# Altium PCB linux_board_PCB.PcbDoc (part 2 of 3) (continued)
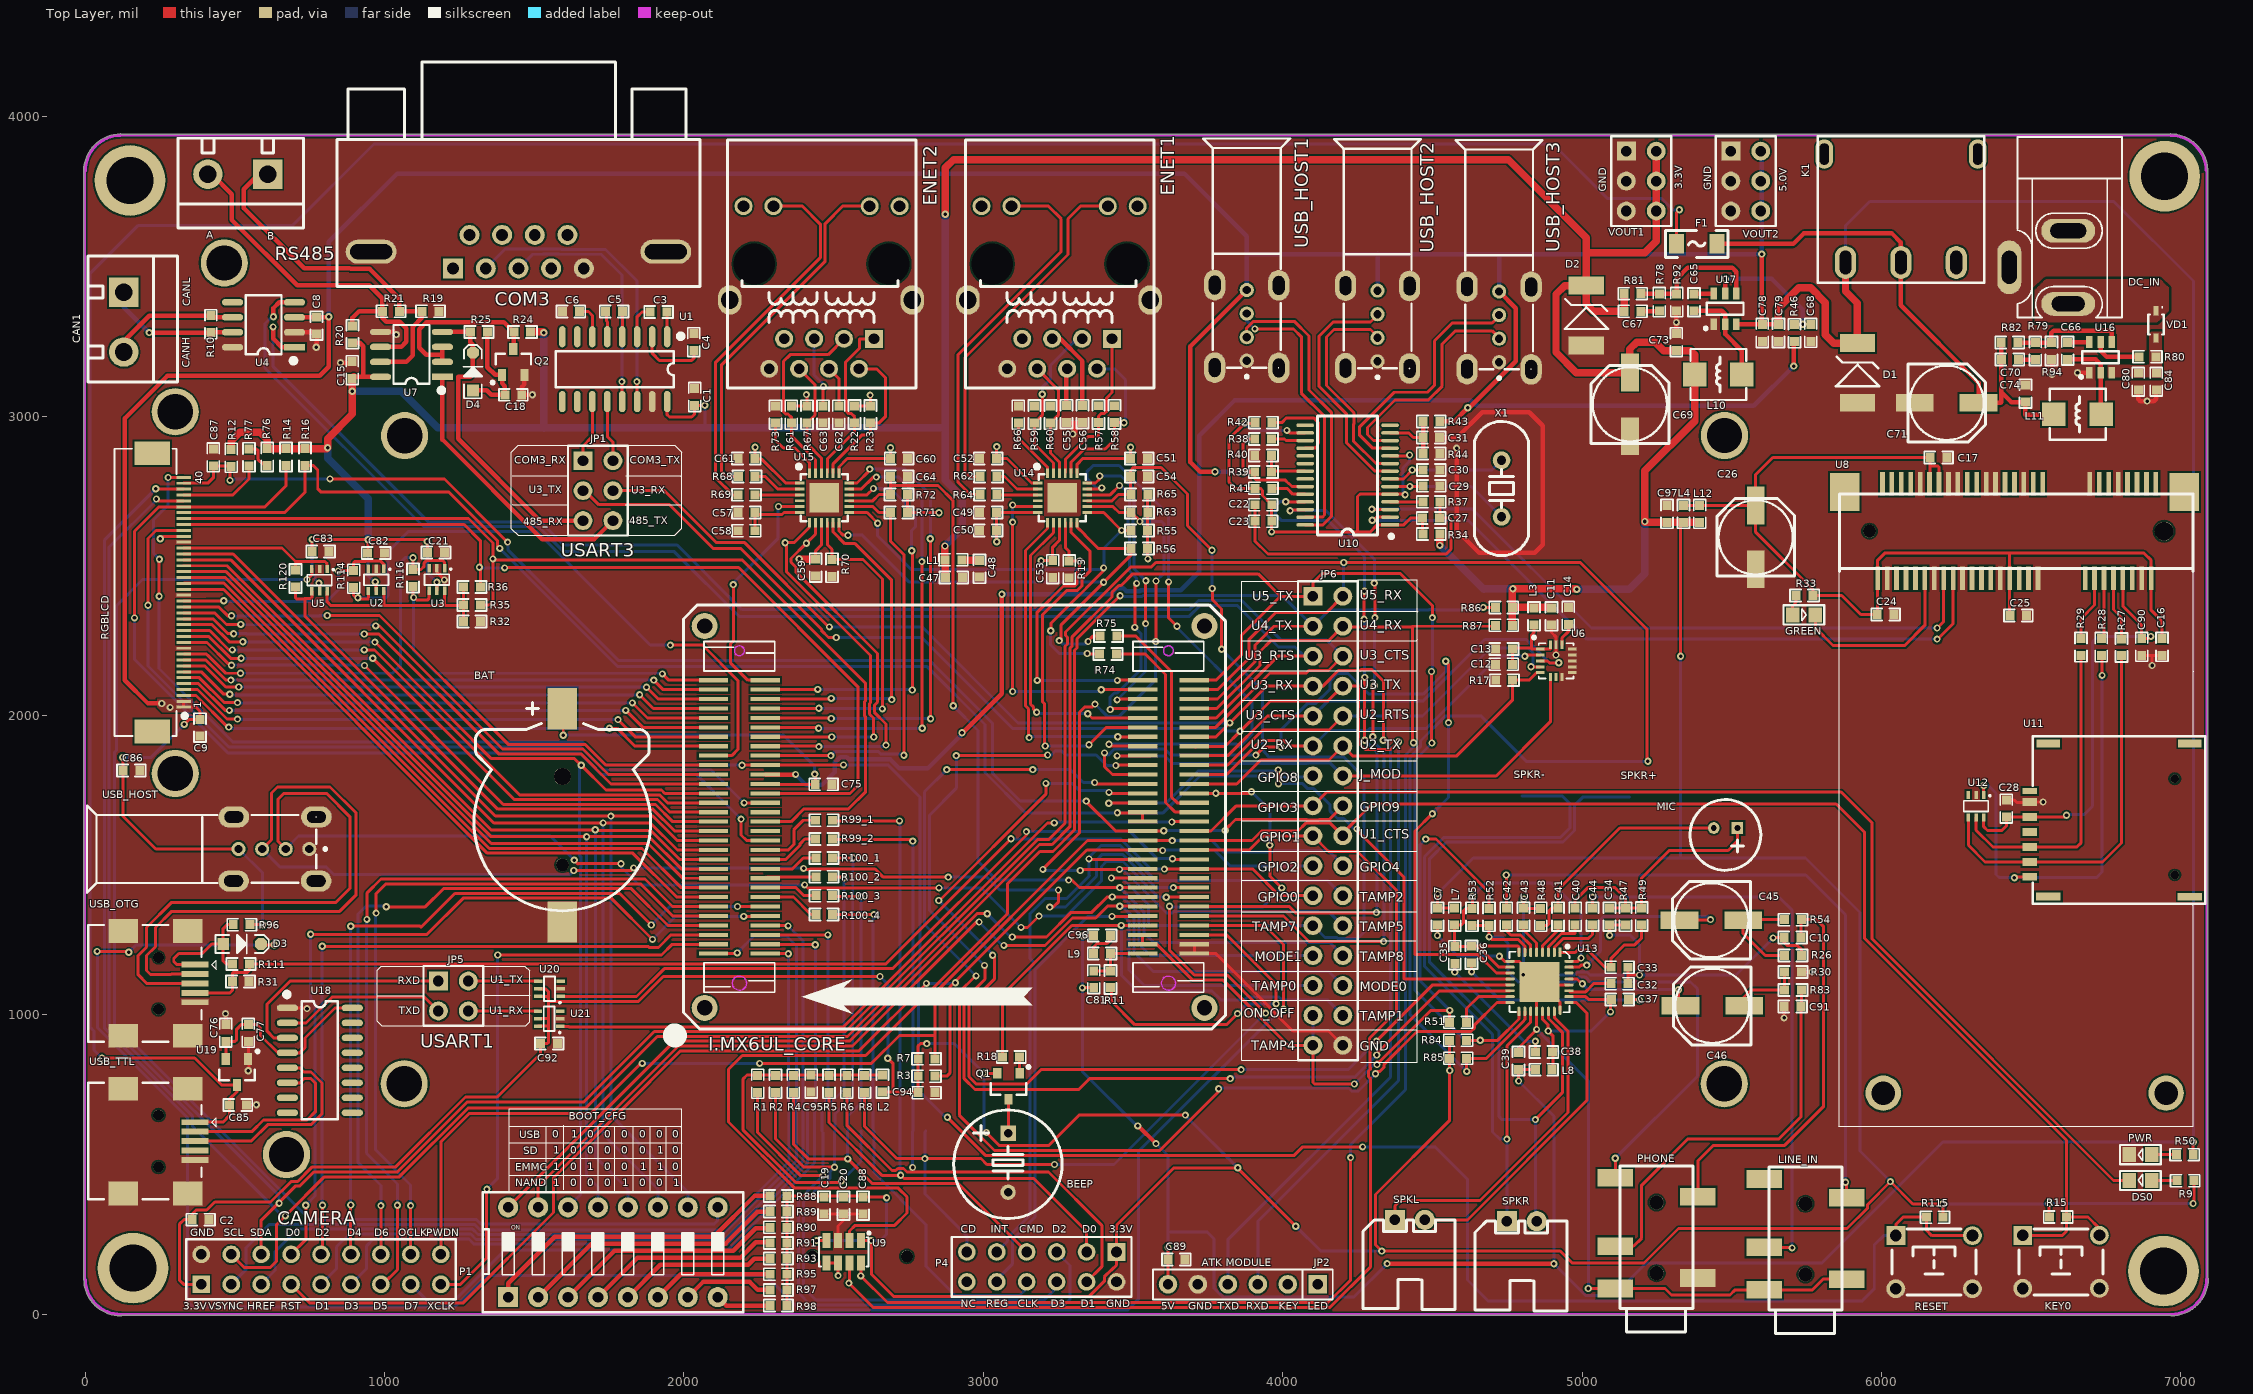
[diagram p0: Top Layer view]
## Nets (pads, with @x,y where several pads share a name; then routed paths per layer and width w, separated by ;. In a path a pad name is that pad's centre, name@x,y a point inside that pad or via, vN(x,y) a via of type N, cw(c..) or ccw(c..) an arc to the next point about the centre after c; other vN are vias at no path point) (continued)
  Top Layer w10: ENET2.6@2384.82,3158 2438,3104.82 2438,3002.81 R67.2@2411.69,2976.5 2411.69,2907.31 2459.16,2859.84 U15.22@2459.16,2809.72
ENET2_RXP: ENET2.3 R61.2 U15.23 | length 655.5
  Top Layer w10: U15.23@2439.47,2809.72 2439.47,2853.53 2358.88,2934.12 R61.2@2358.88,2976.5 2358.88,2996.12 2348,3007 2339.32,3007 2332.88,3013.44 2332.88,3182.88 2355,3205 2481.82,3205 ENET2.3@2534.82,3258
ENET2_TX_CLK: I.MX6UL_CORE.J1_31 U15.5 | length 800.6
  Top Layer w10: v1(2165,2437) 2165,2248.8 2154.87,2238.67 2154.87,2176.13 2213.31,2117.69 I.MX6UL_CORE.J1_31@2272.11,2117.69 ; v1(2316,2698) 2385.75,2698 U15.5@2386.28,2697.47
  Bottom Layer w10: v1(2165,2437) 2165,2442.18 2315,2592.18 2315,2697 v1(2316,2698)
ENET2_TXD0: I.MX6UL_CORE.J1_36 U15.17 | length 1579.2
  Top Layer w10: I.MX6UL_CORE.J1_36@2272.11,1960.21 2446.79,1960.21 v1(2450,1957) ; U15.17@2551.72,2756.53 2592.71,2756.53 2632.18,2796 v1(2643,2796) ; v1(2795,2514) 2795,1958 v1(2796,1957)
  Bottom Layer w10: v1(2450,1957) v1(2796,1957) ; v1(2643,2796) 2718,2796 2795,2719 v1(2795,2514)
ENET2_TXD1: I.MX6UL_CORE.J1_35 U15.18 | length 1633.6
  Top Layer w10: I.MX6UL_CORE.J1_35@2272.11,1991.71 2490.29,1991.71 v1(2492,1990) ; U15.18@2551.72,2776.21 2578.21,2776.21 2621,2819 v1(2621,2823) ; v1(2823,2590) 2823,1990 v1(2824,1989)
  Bottom Layer w10: v1(2492,1990) 2823,1990 v1(2824,1989) ; v1(2621,2823) 2738,2823 2823,2738 v1(2823,2590) v1@2823,2587
ENET2_TXEN: I.MX6UL_CORE.J1_32 U15.16 | length 1353.1
  Top Layer w10: I.MX6UL_CORE.J1_32@2272.11,2086.2 2446.2,2086.2 v1(2447,2087) ; U15.16@2551.72,2736.84 2611.84,2736.84 v1(2633,2758) ; v1(2761,2550) 2763,2548 v1(2763,2085)
  Bottom Layer w10: v1(2447,2087) 2761,2087 v1(2763,2085) ; v1(2633,2758) 2690,2758 2774,2674 2774,2630.82 2761,2617.82 v1(2761,2550)
ENET2_TXN: ENET2.2 R23.2 U15.20 | length 519.2
  Top Layer w10: U15.20@2498.53,2809.72 2498.53,2840.53 2594,2936 2611,2936 2623.06,2948.06 R23.2@2623.06,2977.5 2652.5,2977.5 2674,2999 2674,3127 2643,3158 ENET2.2@2584.82,3158
ENET2_TXP: ENET2.1 R22.2 U15.21 | length 570.4
  Top Layer w10: U15.21@2478.84,2809.72 2478.84,2856.84 2570.25,2948.25 R22.2@2570.25,2977.5 2570.25,2997.75 2560,3008 2550.7,3008 2543.31,3015.38 2543.31,3053.12 2539.82,3056.61 2539.82,3179.82 2586,3226 2586,3255 2589,3258 ENET2.1@2634.82,3258
ENET_MDC: R55.1 R74.2 U14.13 U15.13 | length 1786.8
  Top Layer w10: U15.13@2551.72,2677.79 2612.21,2677.79 2647,2643 v1(2647,2642) ; v1(3225.38,2283) 3225.38,2307.38 3318.75,2400.75 3319.81,2400.75 3345,2425.94 3345,2427 3402,2484 v1(3402,2493) ; U14.13@3346.72,2677.79 3402.21,2677.79 v1(3461.97,2618.03) R55.1@3492.75,2618.03 ; v1(3347,2207) 3349,2205 R74.2@3388.75,2205
  Bottom Layer w10: v1(2647,2642) 2647,2600 2760,2487 3396,2487 v1(3402,2493) 3403,2494 3403,2559.05 v1(3461.97,2618.03) ; v1(3225.38,2283) 3224,2283 3224,2237 3254,2207 v1(3347,2207)
ENET_MDIO: R56.1 R75.2 U14.12 U15.12 | length 1767.6
  Top Layer w10: U15.12@2518.21,2644.28 2518.21,2615.79 2532,2602 v1(2548,2602) ; v1(3254,2250) 3259,2255 3259,2301 3492.75,2534.75 R56.1@3492.75,2558 3384,2558 3339,2603 ; U14.12@3313.21,2644.28 3313.21,2628.79 3322,2620 3323.18,2620 3339,2604.18 ; v1(3350,2247) 3350,2249 3366,2265 R75.2@3390.5,2265
  Bottom Layer w10: v1(2548,2602) 2596,2602 2753,2445 v1(3402,2445) ; v1(3254,2250) 3266,2238 3341,2238 v1(3350,2247)
GND: BAT.2 BEEP.2 C1.2 C2.2 C4.1 C6.1 C8.2 C9.2 C11.2 C12.1 C13.2 C14.2 C15.2 C16.1 C17.1 C18.1 C19.1 C20.1 C21.1 C24.1 C25.1 C26.2 C28.2 C29.2 C30.2 C31.2 C47.1 C48.1 C49.1 C50.1 C51.1 C52.1 C53.1 C54.1 C55.1 C56.1 C57.1 C58.1 C59.1 C60.1 C61.1 C62.1 C63.1 C64.1 C68.1 C69.2 C71.2 C73.1 C74.1 C75.2 C76.1 C77.1 C78.1 C79.1 C80.1 C82.1 C83.1 C84.1 C85.1 C86.2 C87.1 C88.2 C89.2 C90.2 C91.1 C92.1 C94.1 C95.1 C97.1 COM3.5 COM3.10 COM3.11 D1.1 D2.1 DC_IN.2 DC_IN.3 ENET1.8 ENET1.13 ENET1.14 ENET2.8 ENET2.13 ENET2.14 I.MX6UL_CORE.J2_59 I.MX6UL_CORE.J2_60 JP2.5 JP6.32 KEY0.2 P1.2 P4.2 PHONE.3 PWR.2 Q2.2 R13.1 R17.1 R19.2 R30.2 R31.1 R32.2 R40.1 R44.1 R66.1 R70.1 R73.1 R92.1 R94.1 RESET.2 RGBLCD.11 RGBLCD.20 RGBLCD.29 TF_CARD.6 U1.15 U2.2 U3.2 U4.2 U4.8 U5.2 U6.8 U6.9 U6.10 U6.11 U6.12 U6.13 U6.15 U7.5 U8.4 U8.9 U8.15 U8.18 U8.21 U8.26 U8.27 U8.29 U8.34 U8.35 U8.37 U8.40 U8.43 U8.50 U9.3 U11.C5 U12.2 U14.25 U15.25 U16.1 U17.1 U18.1 U19.1 U20.2 U21.2 USB_HOST1.4 USB_HOST1.5 USB_HOST2.4 USB_HOST2.5 USB_HOST3.4 USB_HOST3.5 USB_HOST.4 USB_HOST.5 USB_OTG.5 USB_TTL.5 VOUT1.1 VOUT1.3 VOUT1.5 VOUT2.1 VOUT2.3 VOUT2.5 | length 3681.9
  Top Layer w10: v1(469,1004) 470,1003 C76.1@470,968.25 ; C85.1@538.25,699 571,699 v1(572,700) ; v1(545,813) 546.71,814.71 546.71,850 U19.1@544.4,852.31 545,852.91 C77.1@545,911.75 ; U18.1@675.73,1023 739,1023 v1(741,1021) ; U3.2@1175,2491.4 1175,2478 v1(1200,2453) ; C19.1@2468,335 C20.1@2532.94,335 ; U9.3@2514.81,246.06 2514.81,294.81 2532.94,312.94 C20.1@2532.94,335 ; C88.2@2598,334.5 2597.5,335 C20.1@2532.94,335 ; I.MX6UL_CORE.J2_59@3705.18,1235.8 I.MX6UL_CORE.J2_60@3705.18,1204.31 3777.22,1204.31 3966,1015.53 3966,1014 4034,946 4153,946 JP6.32@4201,898 ; C11.2@4898,2302.75 4898,2277 4913.68,2261.31 U6.15@4913.68,2236 4913.68,2202.69 v1(4913,2202) ; v1@5674,996 5675,997 C91.1@5675,1028 ; R30.2@5732.25,1143 v1(5768,1143) ; C28.2@6417,1717.5 6443.5,1717.5 6452,1709 6494.2,1709 U11.C5@6495.94,1710.75 6539.75,1710.75 v1(6540,1711) ; C90.2@6869.47,2200.75 6904,2200.75 ; v1(6904,2167) 6904,2200.75 ; C16.1@6937,2200.75 6904,2200.75
  Top Layer w15: U4.2@699.35,3280 766.75,3280 C8.2@773,3273.75 773,3245 772,3244 v1(772,3230) ; v1(853,3178) 853.25,3178.25 C15.2@893,3178.25 ; U7.5@986.76,3280.87 1030.13,3280.87 v1(1039,3272) ; Q2.2@1467.51,3137.56 1467.51,3105.51 1458.36,3096.36 C18.1@1458.36,3070.87 1493.87,3070.87 v1(1494,3071) ; C55.1@3277.94,2978.25 3308,2978.25 ; v1(3299,2940) 3308,2949 3308,2978.25 ; C56.1@3331.25,2978.25 3308,2978.25 ; C31.2@4524.5,2928.41 4582.41,2928.41 4667,3013 4824,3013 4869,2968 4869,2570 4842,2543 4656,2543 4581,2618 v1(4581,2893) ; C73.1@5315,3275.25 v1(5315,3313) 5315,3350.75 R92.1@5316,3351.75 ; R94.1@6568,3188.75 6570,3186.75 v1(6570,3140) ; v1@6655.18,3144.82 U16.1@6694.6,3144.82 ; C80.1@6858,3086.75 6858,3057 6865,3050 v1(6887.5,3050) 6910,3050 6918,3058 C84.1@6918,3086.75
  other v1: 5675,990 6655,3145
GPIO0: I.MX6UL_CORE.J2_51 JP6.21 R31.2 R111.1 USB_OTG.4 | length 4071
  Top Layer w10: USB_OTG.4@367.36,1073.5 483.5,1073.5 491.5,1081.5 R31.2@491.5,1111 491.5,1137.5 496,1142 542,1142 549.25,1149.25 R111.1@549.25,1170 2674.53,1170 v1(3092.53,1588) ; v1(3605,1487) 3607,1487 3607.77,1487.77 I.MX6UL_CORE.J2_51@3705.18,1487.77 3899.23,1487.77 3989,1398 JP6.21@4101,1398
  Bottom Layer w10: v1(3092.53,1588) 3458.51,1588 3559.51,1487 v1(3605,1487)
GPIO3: DS0.2 I.MX6UL_CORE.J2_47 JP6.15 | length 3940.7
  Top Layer w10: I.MX6UL_CORE.J2_47@3705.18,1613.76 3760.76,1613.76 3845,1698 JP6.15@4101,1698 4147.5,1744.5 5865.5,1744.5 5969,1641 5969,1253 6775,447 DS0.2@6826.99,447
GPIO5: I.MX6UL_CORE.J1_47
GPIO6: I.MX6UL_CORE.J2_44 R75.1 | length 734.2
  Top Layer w10: R75.1@3447,2265 3510,2265 3629,2146 3629,1727 3647.76,1708.24 I.MX6UL_CORE.J2_44@3705.18,1708.24
GPIO7: I.MX6UL_CORE.J2_45 R74.1 | length 729.5
  Top Layer w10: R74.1@3445.25,2205 3541,2205 3609,2137 3609,1709 3641.25,1676.75 I.MX6UL_CORE.J2_45@3705.18,1676.75
HP_JD: PHONE.6 R52.1 R53.1 U13.7 | length 1831.9
  Top Layer w10: R53.1@4632,1298.75 R52.1@4689.5,1298.75 v2(4689.5,1260.5) 4699,1251 4787.63,1251 4808.77,1229.85 U13.7@4808.77,1208.43 ; v2(5111,521) 5111,456.1 PHONE.6@5111.2,455.89
  Bottom Layer w10: v2(4689.5,1260.5) 4731.5,1260.5 4753,1239 4753,1144 4788,1109 4973.47,1109 4991.47,1127 5010.53,1127 5027.53,1110 5362,1110 5385.22,1086.78 5385.22,795.22 v2(5111,521)
HUB_3V3: C22.2 C23.2 C27.2 R34.2 R41.2 R42.2 U10.1 U10.5 U10.10 U10.16 | length 1819.4
  Top Layer w10: R42.2@3907.75,2978 3905.75,2976 v1(3873,2976) 3821,2924 3821,2779 3841.42,2758.58 R41.2@3907.75,2758.58 3926.17,2758.58 3933,2751.75 3933,2734.35 C22.2@3963.5,2703.85 C23.2@3963.5,2649 3963.5,2613.5 v1(3963,2613) 4250,2613 ; v1(4014,2952) 4022.25,2943.75 U10.16@4075.27,2943.75 ; U10.10@4358.73,2866.98 4420.98,2866.98 v2(4424,2870) ; v2(4409,2737) 4410.98,2739.02 U10.5@4358.73,2739.02 4258.02,2739.02 4250,2731 4250,2613 ; R34.2@4468.75,2606 4467.5,2607.25 C27.2@4467.5,2659.71 4427.71,2659.71 4404.66,2636.66 U10.1@4358.73,2636.66 4316.19,2636.66 4292.53,2613 4250,2613
  Bottom Layer w10: v1(3873,2976) 3897,2952 v1(4014,2952) ; v2(4409,2737) 4402,2744 4402,2827 4424,2849 v2(4424,2870)
HUB_DM1: U10.27 USB_HOST1.2 | length 923.5
  Top Layer w10: v1(3907.07,3291.07) 3907.14,3291 4036.41,3291 4062.41,3265 4062.41,3076.59 4139.8,2999.2 4139.8,2669.8 4132.25,2662.25 U10.27@4075.27,2662.25
  Bottom Layer w10: USB_HOST1.2@3880,3342.26 3880,3318.14 v1(3907.07,3291.07)
HUB_DM2: U8.36 U10.2 | length 2341.3
  Top Layer w10: v1(4299,2652) 4303,2652 4313.25,2662.25 U10.2@4358.73,2662.25 ; v1(6186,2255) 6187.18,2255 6239.51,2307.33 U8.36@6239.51,2458
  Bottom Layer w10: v1(4299,2652) 4619,2652 5016,2255 v1(6186,2255)
HUB_DM3: U10.8 USB_HOST2.2 | length 806.1
  Top Layer w10: USB_HOST2.2@4317,3340.26 4317,3338.59 4293,3314.59 4168.9,3314.59 4121,3266.69 4121,3099.41 4212.41,3008 4212.41,2912.08 4308.69,2815.8 U10.8@4358.73,2815.8
HUB_DM4: U10.11 USB_HOST3.2 | length 857.3
  Top Layer w10: U10.11@4358.73,2892.57 4300.46,2892.57 4257.41,2935.62 4257.41,2964.69 4372.31,3079.59 4484,3079.59 4507,3102.59 4507,3251.19 4566.4,3310.59 4700,3310.59 4723,3333.59 USB_HOST3.2@4723,3337.26
HUB_DP1: U10.28 USB_HOST1.3 | length 1001.2
  Top Layer w10: USB_HOST1.3@3880,3263.52 3880,3294 3901.61,3315.61 3907.98,3315.61 3908.95,3316.59 4039.1,3316.59 4088,3267.69 4088,3087.19 4162.59,3012.6 4162.59,2664.31 4134.95,2636.66 U10.28@4075.27,2636.66
HUB_DP2: U8.38 U10.3 | length 2288.8
  Top Layer w10: v1(4298,2689) 4299.16,2687.84 U10.3@4358.73,2687.84 ; v1(6186,2292) 6208.02,2314.02 U8.38@6208.02,2458
  Bottom Layer w10: v1(4298,2689) 4634.33,2689 5031.33,2292 v1(6186,2292)
HUB_DP3: U10.9 USB_HOST2.3 | length 732.9
  Top Layer w10: USB_HOST2.3@4317,3261.52 4317,3265 4293,3289 4171.59,3289 4146.59,3264 4146.59,3102.1 4238,3010.69 4238,2973.57 4237.41,2972.98 4237.41,2915.36 4311.39,2841.39 U10.9@4358.73,2841.39
HUB_DP4: U10.12 USB_HOST3.3 | length 777
  Top Layer w10: U10.12@4358.73,2918.16 4303.16,2918.16 4283,2938.31 4283,2962 4375,3054 4486.69,3054 4532.59,3099.9 4532.59,3240.59 4577,3285 4700,3285 4723,3262 USB_HOST3.3@4723,3258.52
I2C1_SCL: I.MX6UL_CORE.J2_33 JP6.3 R86.2 U9.2 | length 5426.9
  Top Layer w10: U9.2@2553,246.06 2553,278 2572,297 2704,297 2745,338 2745,392 2716,421 2370,421 2149,642 2149,818 2195,864 2607.18,864 3081.09,1337.91 3081.09,1438.09 3189,1546 3233,1546 3305,1618 3305,2217.56 3313,2225.56 3313,2256 v1(3457,2400) ; I.MX6UL_CORE.J2_33@3705.18,2054.7 3782.7,2054.7 3908,2180 3908,2235 3971,2298 JP6.3@4101,2298 ; v1(4670,2361) R86.2@4710.75,2361
  Bottom Layer w10: v1(3457,2400) 3460,2397 3530.23,2397 3533.23,2400 3999,2400 JP6.3@4101,2298 4154.5,2351.5 4294.32,2351.5 4296.82,2354 4319.18,2354 4321.68,2351.5 4486.32,2351.5 4488.82,2354 4511.18,2354 4513.68,2351.5 4660.5,2351.5 v1(4670,2361)
I2C1_SDA: I.MX6UL_CORE.J2_34 JP6.4 R87.2 U9.8 | length 5169.5
  Top Layer w10: U9.8@2591.19,171 2591.19,128.19 v1(2591,128) 2680,39 4151.37,39 4227,114.63 v1(4227,523) ; I.MX6UL_CORE.J2_34@3705.18,2023.2 3780.2,2023.2 3924,2167 3924,2214 3960,2250 4153,2250 JP6.4@4201,2298 4204,2295 4431,2295 4434,2298 ; v1(4437,1909) 4434,1912 4434,2298 ; R87.2@4710.75,2301 4707.75,2298 4434,2298
  Bottom Layer w10: v1(4227,523) 4227,567 4410,750 4410,1868.25 4437,1895.25 v1(4437,1909)
I2C2_SCL: I.MX6UL_CORE.J2_31 JP6.1 P1.4 R84.2 RGBLCD.38 U13.17 | length 10691.5
  Top Layer w10: v1(236,2757) 328.2,2757 RGBLCD.38@329.21,2755.99 ; P1.4@488,200 532.53,155.47 617.47,155.47 640,178 640,300 v2(669,329) 799,459 1049.37,459 1279.37,689 1672,689 1911,928 2546.63,928 3187.63,1569 3230,1569 3289,1628 3289,2224.19 3297,2232.19 3297,2262.63 3430,2395.63 3430,2411.18 3452.82,2434 3460.44,2434 3499.44,2473 3918,2473 3993,2398 ; I.MX6UL_CORE.J2_31@3705.18,2117.69 3777.69,2117.69 3862,2202 3862,2267 3993,2398 ; v1(4497,2147) 4497,1909.5 v1(4498.5,1908) ; v1(4500,2327) 4500,2367 4392,2475 4133,2475 4101,2443 JP6.1@4101,2398 3993,2398 ; R84.2@4614.25,915 v1(4660,915) 4718,915 4789.08,986.09 U13.17@4789.08,1011.57
  Bottom Layer w10: v1(236,2757) 64,2585 64,956.75 358,662.75 358,629 625,362 625,361.47 657.47,329 v2(669,329) ; v1(4497,2147) 4500,2150 v1(4500,2327) ; v1(4498.5,1908) 4442,1851.5 4442,1082 4609,915 v1(4660,915)
I2C2_SDA: I.MX6UL_CORE.J2_32 JP6.2 P1.6 R85.2 RGBLCD.36 U13.18 | length 12464.9
  Top Layer w10: v1(238,2723) 244.38,2716.62 RGBLCD.36@329.21,2716.62 ; P1.6@588,200 588,314.18 644.82,371 v2(648,371) 648,374.18 701.51,427.69 716.42,427.69 763.73,475 1042.75,475 1277.25,709.5 1666.5,709.5 1901,944 2540,944 3181,1585 3218,1585 3273,1640 3273,2230.82 3281,2238.82 3281,2261.18 3275,2267.18 3275,2278.81 3492.19,2496 3561.18,2496 3576.18,2511 v1(4204,2511) 4994,2511 5217,2288 5217,1850 v2(5220,1847) ; I.MX6UL_CORE.J2_32@3705.18,2086.2 3782.2,2086.2 3888,2192 3888,2255 3977.5,2344.5 4120.26,2344.5 4120.76,2344 4147,2344 JP6.2@4201,2398 ; v2(4615,811) 4614.25,811.75 R85.2@4614.25,855 4680.63,855 4806,980.37 4806,981.81 4808.77,984.59 U13.18@4808.77,1011.57
  Bottom Layer w10: v1(238,2723) 238,2720 80,2562 80,963.37 648,395.37 v2(648,371) ; JP6.2@4201,2398 4204,2401 v1(4204,2511) ; v2(4615,811) 4426,1000 4426,1861.63 4460,1895.63 4460,1914.53 4544.47,1999 4662,1999 4814,1847 v2(5220,1847)
JTAG_nTRST: I.MX6UL_CORE.J2_21 U13.14 | length 3849.6
  Top Layer w10: v2(2910,1866) 3213,1866 v2(3215,1868) ; v2(3004,1165) 3006,1163 3006,1119 2936,1049 2936,787 2972,751 3319,751 3355,787 v2(3825,787) ; v2(3443,1833) 3444.23,1834.23 I.MX6UL_CORE.J2_21@3531.95,1834.23 ; v2(4314,866) 4314,871 4523.47,1080.47 U13.14@4759.57,1080.47
  Bottom Layer w10: v2(2910,1866) 2910,1757 2820,1667 2820,1349 v2(3004,1165) ; v2(3215,1868) 3227.47,1868 3241.47,1882 3260.53,1882 3274.53,1868 3377,1868 3412,1833 v2(3443,1833) ; v2(3825,787) 3830,792 4240,792 v2(4314,866)
JTAG_TCK: I.MX6UL_CORE.J2_19 U13.16 | length 4073
  Top Layer w10: v2(2878,1819) v2(3165,1819) ; v2(2976,1130) 2974,1130 2920,1076 2920,664.73 3037.73,547 3589.53,547 3786,743.47 v2(3786,753) ; v2(3372,1776) 3376.76,1771.24 I.MX6UL_CORE.J2_19@3531.95,1771.24 ; v2(4310,803) 4310,805 4316,811 4324.53,811 4338,824.47 4338,833 4449,944 4628.81,944 4640.25,955.44 4640.25,965.25 4716.08,1041.08 U13.16@4759.57,1041.08
  Bottom Layer w10: v2(2878,1819) 2804,1745 2804,1302 v2(2976,1130) ; v2(3165,1819) 3291,1819 3334,1776 v2(3372,1776) ; v2(3786,753) 3789,756 4220.1,756 4230.1,746 4253,746 v2(4310,803)
JTAG_TDI: I.MX6UL_CORE.J2_17 U13.12 | length 2031.2
  Top Layer w10: v2(3419,1707) 3420.24,1708.24 I.MX6UL_CORE.J2_17@3531.95,1708.24 ; v2(3985,1818) 3986,1817 v2(3986,1772) ; v2(4248,1621) 4248,1617 4405.15,1459.85 4405.15,1119.85 U13.12@4759.57,1119.85
  Bottom Layer w10: v2(3419,1707) 3610.37,1707 3717.37,1814 3985,1814 v2(3985,1818) ; v2(3986,1772) 4066.9,1772 4083.4,1755.5 4103.59,1755.5 4158.5,1700.59 4158.5,1680.4 4183.4,1655.5 4203.59,1655.5 4238.1,1621 v2(4248,1621)
JTAG_TDO: I.MX6UL_CORE.J2_18 U13.13 | length 3533.6
  Top Layer w10: v2(2851,1382) 2854,1382 3209,1737 v2(3209,1773) ; v2(3031,1199) 3038,1192 3038,1121 2952,1035 2952,793.63 2975.96,769.66 3145.66,769.66 3193,817 v2(3861,817) ; v2(3420,1743) 3423.26,1739.74 I.MX6UL_CORE.J2_18@3531.95,1739.74 ; v2(4313,912) 4501.16,1100.16 U13.13@4759.57,1100.16
  Bottom Layer w10: v2(2851,1382) 3031,1202 v2(3031,1199) ; v2(3209,1773) 3297.37,1773 3320.37,1750 3413,1750 v2(3420,1743) ; v2(3861,817) 4218,817 v2(4313,912)
JTAG_TMS: I.MX6UL_CORE.J2_20 U13.11 | length 2973.2
  Top Layer w10: v2(3405,1875) 3405,1829 3431.27,1802.73 I.MX6UL_CORE.J2_20@3531.95,1802.73 ; v2(3910.5,1867.5) 3937,1894 v2(3994,1894) ; v2(4500,1672) 4442,1614 4442,1202.25 4651.75,1202.25 4714.46,1139.54 U13.11@4759.57,1139.54 ; v2(4545,2181) 4554,2172 v2(4554,1976)
  Bottom Layer w10: v2(3405,1875) 3412.5,1867.5 3416.98,1867.5 3437.47,1888 3606.63,1888 3627.12,1867.5 v2(3910.5,1867.5) ; v2(3994,1894) 3994,1951.1 4083.4,2040.5 4110.5,2040.5 4158.5,2088.5 4158.5,2115.6 4183.4,2140.5 4218.6,2140.5 4288.1,2071 4469.37,2071 4545,2146.63 v2(4545,2181) ; v2(4500,1672) 4554,1726 v2(4554,1976)
KEY0: I.MX6UL_CORE.J2_48 JP6.18 KEY0.1 R15.2 | length 4280.2
  Top Layer w10: I.MX6UL_CORE.J2_48@3705.18,1582.26 3897.63,1582.26 3929.37,1614 4051.24,1614 4077.24,1640 4159,1640 JP6.18@4201,1598 4201,1606.53 4298.47,1704 5849,1704 5944,1609 5944,1255 6618.25,580.75 R15.2@6618.25,325 ; KEY0.1@6472.05,263.58 6604.58,263.58 6618.25,277.25 R15.2@6618.25,325 ; KEY0.1@6727.95,263.58 6727.95,287.05 6690,325 R15.2@6618.25,325
LCD_B0: I.MX6UL_CORE.J1_7 RGBLCD.21 | length 2195.5
  Top Layer w10: RGBLCD.21@329.21,2421.34 329.81,2420.75 462.75,2420.75 1343.49,1540 1829.28,1540 1976,1393.28 I.MX6UL_CORE.J1_7@2098.88,1393.28
LCD_B1: I.MX6UL_CORE.J1_8 RGBLCD.22 | length 2191.4
  Top Layer w10: RGBLCD.22@329.21,2441.03 330.18,2442 464.12,2442 1350.12,1556 1859.78,1556 1991,1424.78 I.MX6UL_CORE.J1_8@2098.88,1424.78
LCD_B2: I.MX6UL_CORE.J1_9 RGBLCD.23 | length 2185.7
  Top Layer w10: RGBLCD.23@329.21,2460.71 468.03,2460.71 1356.75,1572 1880,1572 1995.72,1456.28 I.MX6UL_CORE.J1_9@2098.88,1456.28
LCD_B3: BOOT_CFG.13 I.MX6UL_CORE.J1_10 RGBLCD.24 | length 3434.6
  Top Layer w10: RGBLCD.24@329.21,2480.4 470.97,2480.4 1356.37,1595 v1(1675,1595) 1883.77,1595 1991,1487.77 I.MX6UL_CORE.J1_10@2098.88,1487.77
  Bottom Layer w10: v1(1675,1595) 1675,463 1713,425 BOOT_CFG.13@1713,357
LCD_B4: BOOT_CFG.12 I.MX6UL_CORE.J1_11 RGBLCD.25 | length 3492
  Top Layer w10: RGBLCD.25@329.21,2500.08 473.92,2500.08 1356,1618 v1(1704,1618) 1704,1625 1713,1616 1889,1616 1985.73,1519.27 I.MX6UL_CORE.J1_11@2098.88,1519.27
  Bottom Layer w10: v1(1704,1618) 1704,526 1813,417 BOOT_CFG.12@1813,357
LCD_B5: BOOT_CFG.11 I.MX6UL_CORE.J1_12 RGBLCD.26 | length 3530.8
  Top Layer w10: RGBLCD.26@329.21,2519.77 486.23,2519.77 1365,1641 v1(1730,1641) 1888,1641 1978.24,1550.76 I.MX6UL_CORE.J1_12@2098.88,1550.76
  Bottom Layer w10: v1(1730,1641) 1730,601 1913,418 BOOT_CFG.11@1913,357
LCD_B6: BOOT_CFG.10 I.MX6UL_CORE.J1_13 RGBLCD.27 | length 3579.6
  Top Layer w10: RGBLCD.27@329.21,2539.45 494.55,2539.45 1370,1664 v1(1756,1664) 1896,1664 1977.74,1582.26 I.MX6UL_CORE.J1_13@2098.88,1582.26
  Bottom Layer w10: v1(1756,1664) 1756,665 2013,408 BOOT_CFG.10@2013,357
LCD_B7: R120.2 RGBLCD.28 U5.1 | length 542
  Top Layer w10: RGBLCD.28@329.21,2559.14 657.86,2559.14 702.82,2514.18 800.82,2514.18 808.59,2506.41 U5.1@808.59,2489.4 ; R120.2@703,2485.25 703,2509
LCD_DATA7: I.MX6UL_CORE.J1_14 R120.1 U5.4 | length 1838.1
  Top Layer w10: R120.1@703,2428.75 703,2393 707.5,2388.5 734.5,2388.5 ; U5.4@757.41,2414.6 757.41,2392 755.41,2390 733,2390 734.5,2388.5 ; I.MX6UL_CORE.J1_14@2098.88,1613.76 1969.24,1613.76 1896,1687 1378.47,1687 734.5,2330.97 734.5,2388.5
LCD_DATA8: I.MX6UL_CORE.J1_15 RGBLCD.12 | length 2022.3
  Top Layer w10: RGBLCD.12@323,2244 407,2244 478,2173 479,2174 485,2168 v1(489,2168) ; v1(933,2167) 1397,1703 1905,1703 1962.75,1645.25 I.MX6UL_CORE.J1_15@2098.88,1645.25
  Bottom Layer w10: v1(489,2168) v1@931,2168
LCD_DATA9: I.MX6UL_CORE.J1_16 RGBLCD.13 | length 2012.9
  Top Layer w10: RGBLCD.13@329.21,2263.86 413.26,2263.86 486.12,2191 v1(521,2191) ; v1(961,2191) 1433,1719 1911.63,1719 1953.88,1676.75 I.MX6UL_CORE.J1_16@2098.88,1676.75
  Bottom Layer w10: v1(521,2191) v1(961,2191)
LCD_DATA10: I.MX6UL_CORE.J1_17 RGBLCD.14 | length 2008
  Top Layer w10: RGBLCD.14@329.21,2283.55 416.2,2283.55 480.75,2219 v1(492,2219) ; v1@938,2219 966.63,2219 1450.63,1735 1918.25,1735 1945.01,1708.24 I.MX6UL_CORE.J1_17@2098.88,1708.24
  Bottom Layer w10: v1(492,2219) v1(932,2219) v1@938,2219
LCD_DATA11: BOOT_CFG.14 I.MX6UL_CORE.J1_18 RGBLCD.15 | length 3507.2
  Top Layer w10: RGBLCD.15@329.21,2303.23 424.02,2303.23 481.25,2246 v1(527,2246) ; v1@967,2242 968,2243 v1(968,2245) 1226.75,1986.25 1226.75,1985.63 1356.55,1855.82 1634.66,1855.82 1657,1833.48 v1(1657,1834) 1740,1751 1924.88,1751 1936.14,1739.74 I.MX6UL_CORE.J1_18@2098.88,1739.74
  Bottom Layer w10: v1(527,2246) 963,2246 v1@967,2242 ; BOOT_CFG.14@1613,357 1655,399 1655,1491.53 1657,1493.53 1657,1526.53 1652,1531.53 1652,1829 v1(1657,1834)
LCD_DATA12: I.MX6UL_CORE.J1_19 RGBLCD.16 | length 2000.2
  Top Layer w10: RGBLCD.16@329.21,2322.92 426.96,2322.92 476.88,2273 v1(496,2273) ; v1(932,2272) 981,2272 1381.18,1871.82 1656.18,1871.82 1756.76,1771.24 I.MX6UL_CORE.J1_19@2098.88,1771.24
  Bottom Layer w10: v1(496,2273) 540.53,2273 539.53,2272 v1(932,2272)
LCD_DATA13: I.MX6UL_CORE.J1_20 RGBLCD.17 | length 1993.3
  Top Layer w10: RGBLCD.17@329.21,2342.6 433.35,2342.6 471.95,2304 v1(520,2304) ; v1(971,2299) 983,2299 1394.18,1887.82 1662.81,1887.82 1747.9,1802.73 I.MX6UL_CORE.J1_20@2098.88,1802.73
  Bottom Layer w10: v1(520,2304) 521,2303 967,2303 v1(971,2299)
LCD_DATA14: I.MX6UL_CORE.J1_21 RGBLCD.18 | length 1991.2
  Top Layer w10: RGBLCD.18@329.21,2362.29 446.71,2362.29 476,2333 v1(489,2333) ; v1(809,2334) 983,2334 1413.18,1903.82 1669.44,1903.82 1739.03,1834.23 I.MX6UL_CORE.J1_21@2098.88,1834.23
  Bottom Layer w10: v1(489,2333) 784,2333 783,2334 v1(809,2334)
LCD_DATA15: I.MX6UL_CORE.J1_22 R114.1 U2.4 | length 2088.5
  Top Layer w10: R114.1@897,2428 897,2401 909.59,2388.41 946.41,2388.41 U2.4@946.41,2415.6 ; v1(1955,2235) 2062,2235 2181,2116 2181,1887 2159.72,1865.72 I.MX6UL_CORE.J1_22@2098.88,1865.72
  Bottom Layer w10: v1(911,2393) 993,2393 999,2387 1012,2400 1012,2547 1080,2615 1508,2615 1888,2235 v1(1955,2235)
LCD_DATA15S: R114.2 RGBLCD.19 U2.1 | length 793.9
  Top Layer w10: RGBLCD.19@329.21,2381.97 401.97,2381.97 ; 402.94,2382 v1@463,2382 ; v1(846,2483) 847.5,2484.5 R114.2@897,2484.5 897,2510 902,2515 935.77,2515 935.95,2515.18 987.82,2515.18 997.59,2505.41 U2.1@997.59,2490.4
  Bottom Layer w10: v1@463,2381 807,2381 846,2420 v1(846,2483)
  other v1: 463,2383
LCD_DATA16: I.MX6UL_CORE.J1_23 RGBLCD.3 | length 1840.8
  Top Layer w10: RGBLCD.3@329.21,2067.01 369.99,2067.01 476,1961 v1(479.5,1961) ; v1(1751,1957) 1777,1957 1836.78,1897.22 I.MX6UL_CORE.J1_23@2098.88,1897.22
  Bottom Layer w10: v1(479.5,1961) 483.5,1957 v1@1749,1957 ; v1@1749,1955 v1@1751,1953
LCD_DATA17: I.MX6UL_CORE.J1_24 RGBLCD.4 | length 1835.1
  Top Layer w10: RGBLCD.4@329.21,2086.7 375.3,2086.7 474,1988 v1(509,1988) ; v1(1780,1986) 1837.28,1928.72 I.MX6UL_CORE.J1_24@2098.88,1928.72
  Bottom Layer w10: v1(509,1988) 511,1986 v1(1780,1986)
LCD_DATA18: I.MX6UL_CORE.J1_25 RGBLCD.5 | length 1830.2
  Top Layer w10: RGBLCD.5@329.21,2106.38 378.25,2106.38 467.63,2017 v1(482,2017) ; v1(1806,2017) 1862.79,1960.21 I.MX6UL_CORE.J1_25@2098.88,1960.21
  Bottom Layer w10: v1(482,2017) v1(1806,2017)
LCD_DATA19: I.MX6UL_CORE.J1_26 RGBLCD.6 | length 1825.3
  Top Layer w10: RGBLCD.6@329.21,2126.07 381.19,2126.07 464.25,2043 v1(509,2043) ; v1(1828,2042) 1878.29,1991.71 I.MX6UL_CORE.J1_26@2098.88,1991.71
  Bottom Layer w10: v1(509,2043) 510,2042 v1(1828,2042)
LCD_DATA20: I.MX6UL_CORE.J1_27 RGBLCD.7 | length 1820.4
  Top Layer w10: RGBLCD.7@329.21,2145.75 388.25,2145.75 463,2071 v1(483,2071) ; v1(1852,2069) 1897.8,2023.2 I.MX6UL_CORE.J1_27@2098.88,2023.2
  Bottom Layer w10: v1(483,2071) 485,2069 v1(1852,2069)
LCD_DATA21: I.MX6UL_CORE.J1_28 RGBLCD.8 | length 1815.5
  Top Layer w10: RGBLCD.8@329.21,2165.44 399.56,2165.44 470,2095 v1(513,2095) ; v1(1875,2094) 1914.3,2054.7 I.MX6UL_CORE.J1_28@2098.88,2054.7
  Bottom Layer w10: v1(513,2095) 1874,2095 v1(1875,2094)
LCD_DATA22: I.MX6UL_CORE.J1_29 RGBLCD.9 | length 1810.6
  Top Layer w10: RGBLCD.9@329.21,2185.12 403.07,2185.12 470.19,2118 v1(487,2118) ; v1(1899,2118) 1930.8,2086.2 I.MX6UL_CORE.J1_29@2098.88,2086.2
  Bottom Layer w10: v1(487,2118) v1(1899,2118)
LCD_DATA23: I.MX6UL_CORE.J1_30 R116.1 U3.4 | length 1320.6
  Top Layer w10: v1@1095,2397 R116.1@1095,2430.75 ; 1107,2385 1143,2385 1149.41,2391.41 U3.4@1149.41,2416.6 ; v1(1928,2139) 1949.31,2117.69 I.MX6UL_CORE.J1_30@2098.88,2117.69
  Bottom Layer w10: v1(1097,2394) 1097,2218 1174,2141 v1@1926,2141
LCD_DATA23S: R116.2 RGBLCD.10 U3.1 | length 1338.7
  Top Layer w10: RGBLCD.10@331.02,2205 405,2205 408.88,2201.12 409.7,2201.12 469.82,2141 v1(519,2141) ; v1(1095,2527) R116.2@1095,2487.25 1121.75,2487.25 1132.5,2498 1132.5,2509.74 1139.77,2517 1195,2517 1200.59,2511.41 U3.1@1200.59,2491.4
  Bottom Layer w10: v1(519,2141) 1027,2141 1054,2168 1054,2512 1069,2527 v1(1095,2527)
LCD_DE: I.MX6UL_CORE.J1_46 R35.2 RGBLCD.33 | length 3466
  Top Layer w10: RGBLCD.33@329.21,2657.56 1280.44,2657.56 1362,2576 v1(1362,2523) ; R35.2@1320,2369 1349,2369 1362,2382 v1(1362,2523) ; I.MX6UL_CORE.J1_46@2272.11,1645.25 2358.25,1645.25 2401,1688 2550,1688 2607,1745 2607,1994.56 2604,1997.56 2604,2046.44 2607,2049.44 2607,2107 2194,2520 1365,2520 v1(1362,2523)
LCD_HSYNC: I.MX6UL_CORE.J1_44 RGBLCD.31 | length 2808.2
  Top Layer w10: v2(210,2368) 210,2591.39 236.81,2618.19 RGBLCD.31@329.21,2618.19 ; v2(2201,1708) 2201.24,1708.24 I.MX6UL_CORE.J1_44@2272.11,1708.24
  Bottom Layer w10: v2(210,2368) 210,2165 480,1895 1654.75,1895 1731.75,1818 2091,1818 v2(2201,1708)
LCD_PCLK: I.MX6UL_CORE.J1_45
LCD_PLCK: RGBLCD.30 | length 81.7
  Top Layer w10: v1(251,2590) 259.51,2598.51 RGBLCD.30@329.21,2598.51
LCD_VSYNC: I.MX6UL_CORE.J1_43 R36.2 RGBLCD.32 | length 3248
  Top Layer w10: RGBLCD.32@329.21,2637.88 1266.12,2637.88 1320,2584 R36.2@1320,2429 ; v1(1401,2493) 1402,2494 2183,2494 2581,2096 2581,1766 2554.74,1739.74 I.MX6UL_CORE.J1_43@2272.11,1739.74
  Bottom Layer w10: v1(1317,2495) 1320,2495 1322,2493 v1(1401,2493)
LINE_INL: C42.2 LINE_IN.2 | length 2245.5
  Top Layer w10: C42.2@4747,1356.5 v1(4747,1467) ; v1(5880,441) 5883.8,437.2 LINE_IN.2@5883.8,388.68
  Bottom Layer w10: v1(4747,1467) 5747,1467 5880,1334 v1(5880,441)